# KiCad board cutiepie2040.kicad_pcb
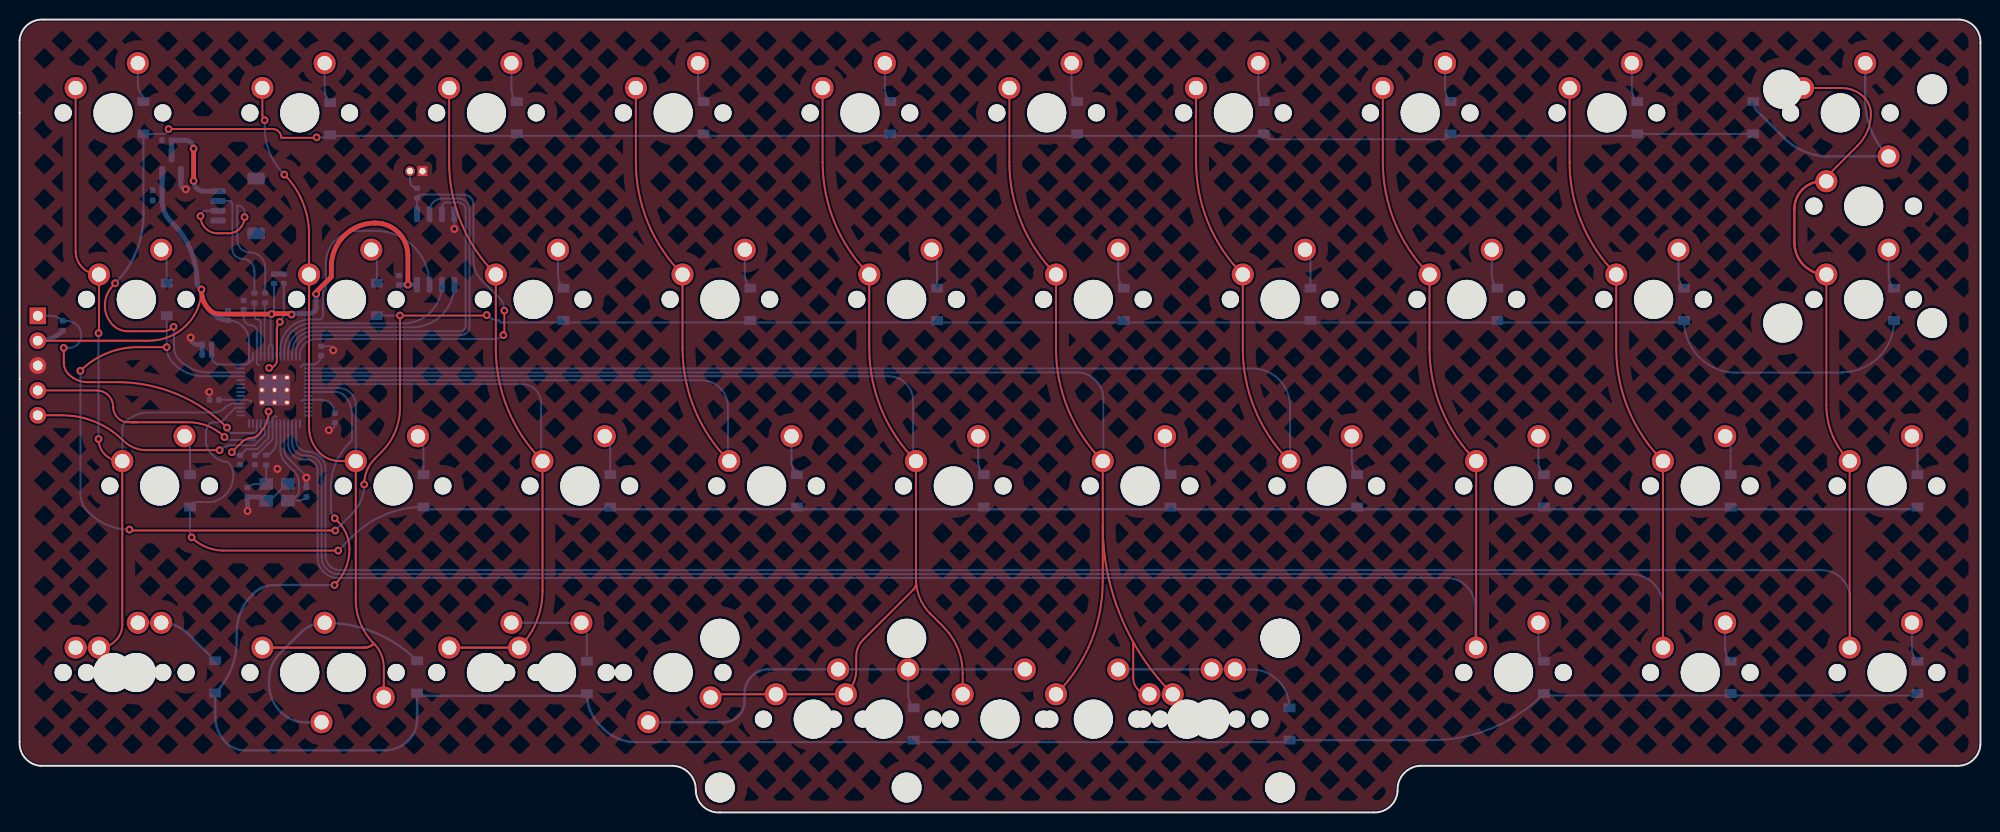
[diagram p0: board, top side]
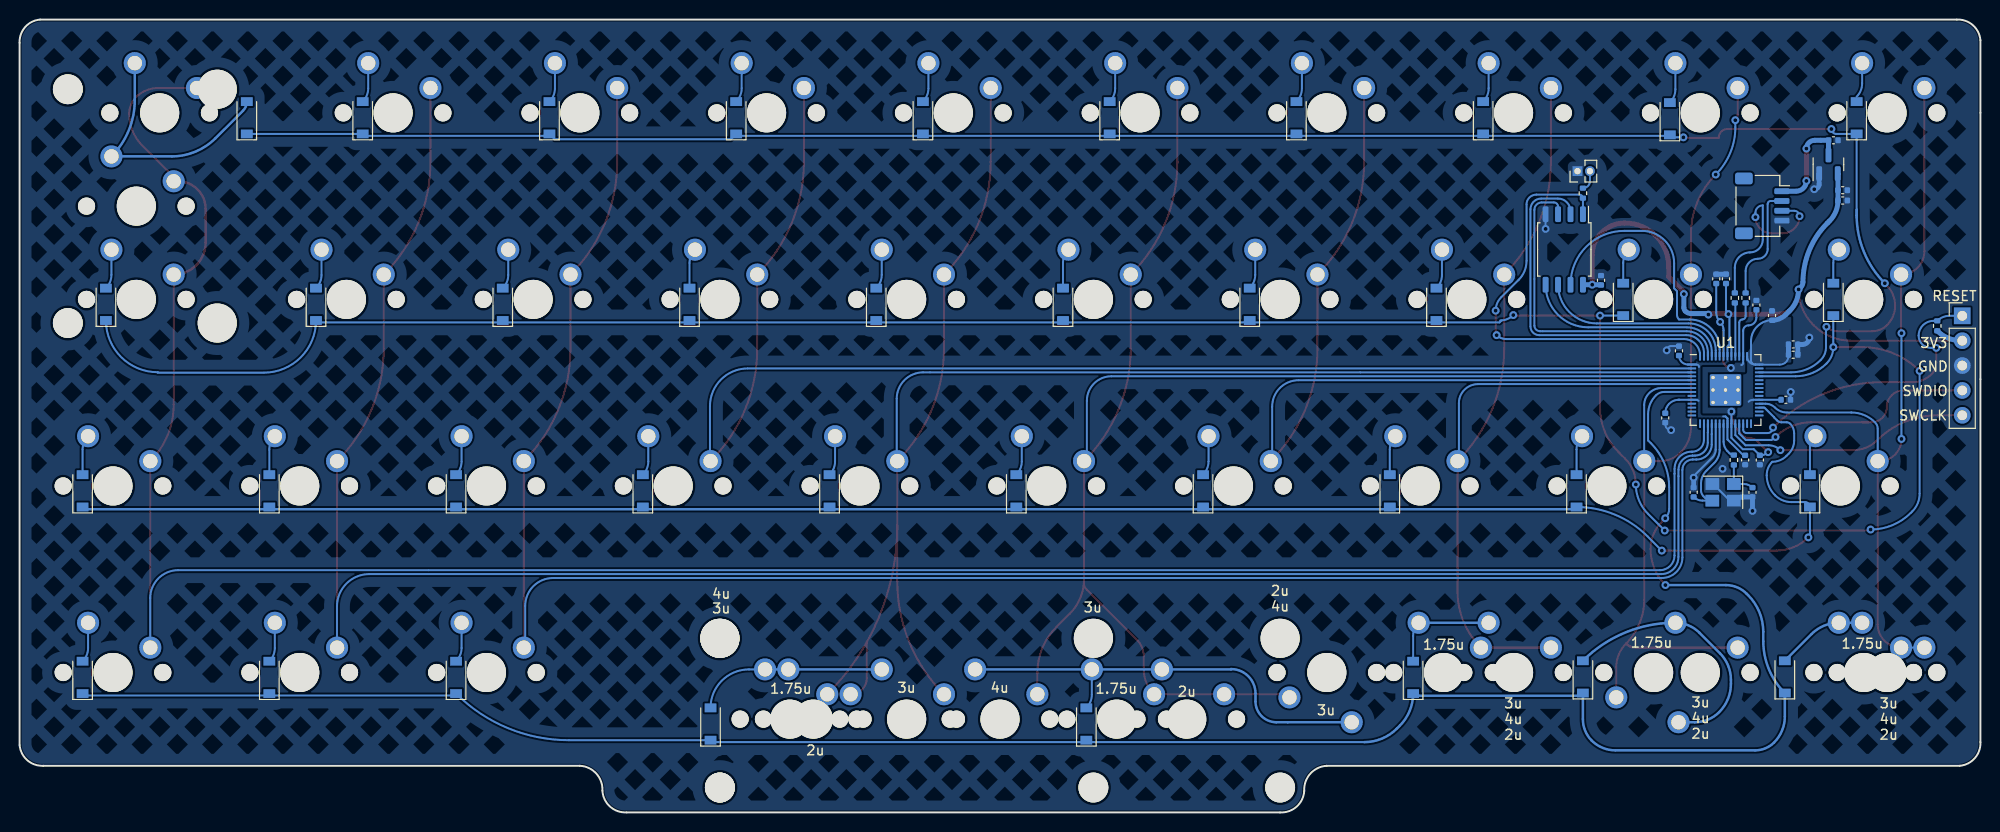
[diagram p1: board, bottom side, seen from below]

Outline 200.02 x 80.96 mm; copper layers: Top, Bottom. Coordinates in mm from the lower left corner of the outline.
Outline path: 0,78.86 arc(0.78,80.4) 2.4,80.96 197.95,80.96 arc(199.47,80.19) 200.02,78.58 200.02,6.88 arc(199.25,5.33) 197.61,4.76 142.88,4.76 arc(141.2,3.97) 140.57,2.22 arc(139.8,0.6) 138.1,0 71.45,0 arc(69.76,0.58) 68.98,2.19 arc(68.36,3.95) 66.67,4.76 2.1,4.76 arc(0.56,5.55) 0,7.19 0,78.86
Stack: Top 0.035mm / dielectric 1.51mm FR4 er 4.5 / Bottom 0.035mm

## Placement (name value [footprint] x y rotation side)
C_1V-Decoup1  1u  [C_0402_1005Metric]  22.85 51.81 90 bottom
C_1V-Decoup2  .1u  [C_0402_1005Metric]  26.95 54.49 90 bottom
C_1V-Decoup3  .1u  [C_0402_1005Metric]  22.5 35.99 270 bottom
C_3V-Decoup1  10u  [C_0402_1005Metric]  14.05 62.49 180 bottom
C_3V-Decoup2  1u  [C_0402_1005Metric]  21.25 50.74 90 bottom
C_3V-Decoup3  .1u  [C_0402_1005Metric]  25.95 54.49 90 bottom
C_3V-Decoup4  .1u  [C_0402_1005Metric]  19.85 42.14 180 bottom
C_3V-Decoup5  .1u  [C_0402_1005Metric]  19.1 46.74 180 bottom
C_3V-Decoup6  .1u  [C_0402_1005Metric]  32.15 40.29 270 bottom
C_3V-Decoup7  .1u  [C_0402_1005Metric]  19.1 47.79 180 bottom
C_3V-Decoup8  .1u  [C_0402_1005Metric]  24 35.99 270 bottom
C_3V-Decoup9  .1u  [C_0402_1005Metric]  30.75 47.14 90 bottom
C_Crystal1  22pF  [C_0402_1005Metric]  29.25 32.69 270 bottom
C_Crystal2  22pF  [C_0402_1005Metric]  23.25 32.69 90 bottom
C_Flash1  .1u  [C_0402_1005Metric]  38.7 54.34 90 bottom
C_LD1  1u  [C_0402_1005Metric]  15 68.64 180 bottom
C_LD2  1u  [C_0402_1005Metric]  14.05 63.54 180 bottom
D1  D_Small  [D_SOD-123]  12.62 70.94 90 bottom
D2  D_Small  [D_SOD-123]  15.01 52.39 90 bottom
D3  D_Small  [D_SOD-123]  17.39 32.84 90 bottom
D4  D_Small  [D_SOD-123]  19.95 13.84 90 bottom
D5  D_Small  [D_SOD-123]  31.67 70.84 90 bottom
D6  D_Small  [D_SOD-123]  36.44 52.39 90 bottom
D7  D_Small  [D_SOD-123]  41.2 32.84 90 bottom
D8  D_Small  [D_SOD-123]  40.55 13.84 90 bottom
D9  D_Small  [D_SOD-123]  50.72 70.94 90 bottom
D10  D_Small  [D_SOD-123]  55.49 51.89 90 bottom
D11  D_Small  [D_SOD-123]  60.25 32.84 90 bottom
D12  D_Small  [D_SOD-123]  57.87 13.79 90 bottom
D13  D_Small  [D_SOD-123]  69.77 70.94 90 bottom
D14  D_Small  [D_SOD-123]  74.54 51.89 90 bottom
D15  D_Small  [D_SOD-123]  79.3 32.84 90 bottom
D16  D_Small  [D_SOD-123]  88.83 70.94 90 bottom
D17  D_Small  [D_SOD-123]  93.59 51.89 90 bottom
D18  D_Small  [D_SOD-123]  98.35 32.84 90 bottom
D19  D_Small  [D_SOD-123]  91.21 9.02 90 bottom
D20  D_Small  [D_SOD-123]  107.87 70.94 90 bottom
D21  D_Small  [D_SOD-123]  112.64 51.89 90 bottom
D22  D_Small  [D_SOD-123]  117.4 32.84 90 bottom
D23  D_Small  [D_SOD-123]  129.54 9.02 90 bottom
D24  D_Small  [D_SOD-123]  126.92 70.94 90 bottom
D25  D_Small  [D_SOD-123]  131.69 51.89 90 bottom
D26  D_Small  [D_SOD-123]  136.45 32.84 90 bottom
D27  D_Small  [D_SOD-123]  145.98 70.94 90 bottom
D28  D_Small  [D_SOD-123]  150.74 51.89 90 bottom
D29  D_Small  [D_SOD-123]  155.5 32.84 90 bottom
D30  D_Small  [D_SOD-123]  155.5 13.79 90 bottom
D31  D_Small  [D_SOD-123]  165.02 70.94 90 bottom
D32  D_Small  [D_SOD-123]  169.79 51.89 90 bottom
D33  D_Small  [D_SOD-123]  174.55 32.84 90 bottom
D34  D_Small  [D_SOD-123]  174.55 13.79 90 bottom
D35  D_Small  [D_SOD-123]  176.85 70.94 90 bottom
D36  D_Small  [D_SOD-123]  191.22 51.89 90 bottom
D37  D_Small  [D_SOD-123]  193.6 32.84 90 bottom
D38  D_Small  [D_SOD-123]  193.6 13.79 90 bottom
J1  SM04B  [JST_SH_SM04B-SRSS-TB_1x04-1MP_P1.00mm_Horizontal]  22.25 61.94 270 bottom
J2  SWD  [PinHeader_1x05_P2.54mm_Vertical]  1.85 50.71 180 bottom
MX1  MX-NoLED  [MXOnly-1U-NoLED]  9.52 71.44 0 top
MX2  MX-NoLED  [MXOnly-1.25U-NoLED]  11.91 52.39 0 top
MX3  MX-NoLED  [MXOnly-1.5U-NoLED]  14.29 33.34 0 top
MX4  MX-NoLED  [MXOnly-1U-NoLED]  9.52 14.29 0 top
MX4#2  MX-NoLED  [MXOnly-1.25U-NoLED]  11.91 14.29 0 top
MX5  MX-NoLED  [MXOnly-1U-NoLED]  28.58 71.44 0 top
MX6  MX-NoLED  [MXOnly-1U-NoLED]  33.34 52.39 0 top
MX7  MX-NoLED  [MXOnly-1U-NoLED]  38.1 33.34 0 top
MX8  MX-NoLED  [MXOnly-1U-NoLED]  33.34 14.29 180 top
MX8#2  MX-NoLED  [MXOnly-1U-NoLED]  28.58 14.29 0 top
MX9  MX-NoLED  [MXOnly-1U-NoLED]  47.62 71.44 0 top
MX10  MX-NoLED  [MXOnly-1U-NoLED]  52.39 52.39 0 top
MX11  MX-NoLED  [MXOnly-1U-NoLED]  57.15 33.34 0 top
MX12  MX-NoLED  [MXOnly-1.25U-NoLED]  54.77 14.29 0 top
MX12#2  MX-NoLED  [MXOnly-1U-NoLED]  47.62 14.29 0 top
MX13  MX-NoLED  [MXOnly-1U-NoLED]  66.67 71.44 0 top
MX14  MX-NoLED  [MXOnly-1U-NoLED]  71.44 52.39 0 top
MX15  MX-NoLED  [MXOnly-1U-NoLED]  76.2 33.34 0 top
MX16  MX-NoLED  [MXOnly-1U-NoLED]  85.73 71.44 0 top
MX17  MX-NoLED  [MXOnly-1U-NoLED]  90.49 52.39 0 top
MX18  MX-NoLED  [MXOnly-1U-NoLED]  95.25 33.34 0 top
MX19  MX-NoLED  [MXOnly-1U-NoLED]  66.67 14.29 180 top
MX19#2  MX-NoLED  [MXOnly-4U-ReversedStabilizers-NoLED]  100.01 9.52 0 top
MX19#3  MX-NoLED  [MXOnly-1.75U-NoLED]  88.11 9.52 0 top
MX19#4  MX-NoLED  [MXOnly-2U-ReversedStabilizers-NoLED]  80.96 9.52 0 top
MX20  MX-NoLED  [MXOnly-1U-NoLED]  104.77 71.44 0 top
MX21  MX-NoLED  [MXOnly-1U-NoLED]  109.54 52.39 0 top
MX22  MX-NoLED  [MXOnly-1U-NoLED]  114.3 33.34 0 top
MX23  MX-NoLED  [MXOnly-3U-ReversedStabilizers-NoLED]  109.54 9.52 0 top
MX23#2  MX-NoLED  [MXOnly-2U-ReversedStabilizers-NoLED]  119.06 9.52 0 top
MX23#3  MX-NoLED  [MXOnly-1.75U-NoLED]  121.44 9.52 0 top
MX24  MX-NoLED  [MXOnly-1U-NoLED]  123.83 71.44 0 top
MX25  MX-NoLED  [MXOnly-1U-NoLED]  128.59 52.39 0 top
MX26  MX-NoLED  [MXOnly-1U-NoLED]  133.35 33.34 0 top
MX27  MX-NoLED  [MXOnly-1U-NoLED]  142.88 71.44 0 top
MX28  MX-NoLED  [MXOnly-1U-NoLED]  147.64 52.39 0 top
MX29  MX-NoLED  [MXOnly-1U-NoLED]  152.4 33.34 0 top
MX30  MX-NoLED  [MXOnly-1U-NoLED]  152.4 14.29 0 top
MX31  MX-NoLED  [MXOnly-1U-NoLED]  161.93 71.44 0 top
MX32  MX-NoLED  [MXOnly-1U-NoLED]  166.69 52.39 0 top
MX33  MX-NoLED  [MXOnly-1U-NoLED]  171.45 33.34 0 top
MX34  MX-NoLED  [MXOnly-1U-NoLED]  171.45 14.29 0 top
MX35  MX-NoLED  [MXOnly-1.5U-NoLED]  185.74 71.44 0 top
MX35#2  MX-NoLED  [MXOnly-ISO-ReversedStabilizers-NoLED]  188.12 61.91 0 top
MX36  MX-NoLED  [MXOnly-1.25U-NoLED]  188.12 52.39 0 top
MX37  MX-NoLED  [MXOnly-1U-NoLED]  190.5 33.34 0 top
MX38  MX-NoLED  [MXOnly-1U-NoLED]  190.5 14.29 0 top
R_Crystal1  1k  [R_0402_1005Metric]  25.15 35.99 90 bottom
R_DATA1  27  [R_0402_1005Metric]  25.05 52.54 270 bottom
R_DATA2  27  [R_0402_1005Metric]  23.95 52.54 270 bottom
R_Flash1  1k  [R_0402_1005Metric]  40.55 63.24 270 bottom
R_RST1  1k  [R_0402_1005Metric]  4.4 49.69 90 bottom
SW1  Reset  [PinHeader_1x02_P1.27mm_Vertical]  41.1 65.49 90 bottom
U1  RP2040  [RP2040-QFN-56]  26 43.14 180 bottom
U2  W25Q128JVS  [SOIC-8_5.23x5.23mm_P1.27mm]  42.45 57.49 270 bottom
U3  XC6206PxxxMR  [SOT-23]  15.5 66.19 90 bottom
Y1  12MHz  [Crystal_SMD_3225-4Pin_3.2x2.5mm]  26.25 32.69 0 bottom

## Footprints (pads in the part's own frame, mm; a bottom-side part is the same pattern mirrored in y, then rotated)
C_0402_1005Metric
  rrect 0.56x0.62 smd: 1(-0.48,0) 2(0.48,0)
Crystal_SMD_3225-4Pin_3.2x2.5mm
  rect 1.4x1.2 smd: 1(-1.1,-0.85) 2(1.1,-0.85) 3(1.1,0.85) 4(-1.1,0.85)
D_SOD-123
  rect 0.9x1.2 smd: 1(-1.65,0) 2(1.65,0)
JST_SH_SM04B-SRSS-TB_1x04-1MP_P1.00mm_Horizontal
  rrect 0.6x1.55 smd: 1(-1.5,2) 2(-0.5,2) 3(0.5,2) 4(1.5,2)
  rrect 1.2x1.8 smd: MP(-2.8,-1.875) MP(2.8,-1.875)
MXOnly-1.5U-NoLED
  round 1.75 hole 1.75 unplated: (-5.08,0) (5.08,0)
  round 3.988 hole 3.988 unplated: (0,0)
  round 2.25 hole 1.47: 1(-3.81,2.54) 2(2.54,5.08)
MXOnly-1.25U-NoLED
  round 1.75 hole 1.75 unplated: (-5.08,0) (5.08,0)
  round 3.988 hole 3.988 unplated: (0,0)
  round 2.25 hole 1.47: 1(-3.81,2.54) 2(2.54,5.08)
MXOnly-1.75U-NoLED
  round 1.75 hole 1.75 unplated: (-5.08,0) (5.08,0)
  round 3.988 hole 3.988 unplated: (0,0)
  round 2.25 hole 1.47: 1(-3.81,2.54) 2(2.54,5.08)
MXOnly-1U-NoLED
  round 1.75 hole 1.75 unplated: (-5.08,0) (5.08,0)
  round 3.988 hole 3.988 unplated: (0,0)
  round 2.25 hole 1.47: 1(-3.81,2.54) 2(2.54,5.08)
MXOnly-2U-ReversedStabilizers-NoLED
  round 1.75 hole 1.75 unplated: (-5.08,0) (5.08,0)
  round 3.988 hole 3.988 unplated: (0,0)
  round 2.25 hole 1.47: 1(-3.81,2.54) 2(2.54,5.08)
MXOnly-3U-ReversedStabilizers-NoLED
  round 3.988 hole 3.988 unplated: (-19.05,8.255) (0,0) (19.05,8.255)
  round 3.048 hole 3.048 unplated: (-19.05,-6.985) (19.05,-6.985)
  round 1.75 hole 1.75 unplated: (-5.08,0) (5.08,0)
  round 2.25 hole 1.47: 1(-3.81,2.54) 2(2.54,5.08)
MXOnly-4U-ReversedStabilizers-NoLED
  round 3.988 hole 3.988 unplated: (-28.575,8.255) (0,0) (28.575,8.255)
  round 3.048 hole 3.048 unplated: (-28.575,-6.985) (28.575,-6.985)
  round 1.75 hole 1.75 unplated: (-5.08,0) (5.08,0)
  round 2.25 hole 1.47: 1(-3.81,2.54) 2(2.54,5.08)
MXOnly-ISO-ReversedStabilizers-NoLED
  round 3.988 hole 3.988 unplated: (-8.255,11.938) (-8.255,-11.938) (0,0)
  round 1.75 hole 1.75 unplated: (-5.08,0) (5.08,0)
  round 3.048 hole 3.048 unplated: (6.985,11.938) (6.985,-11.938)
  round 2.25 hole 1.47: 1(-3.81,2.54) 2(2.54,5.08)
PinHeader_1x02_P1.27mm_Vertical
  rect 1x1 hole 0.65: 1(0,0)
  oval 1x1 hole 0.65: 2(0,-1.27)
PinHeader_1x05_P2.54mm_Vertical
  rect 1.7x1.7 hole 1: 1(0,0)
  oval 1.7x1.7 hole 1: 2(0,-2.54) 3(0,-5.08) 4(0,-7.62) 5(0,-10.16)
R_0402_1005Metric
  rrect 0.54x0.64 smd: 1(-0.51,0) 2(0.51,0)
RP2040-QFN-56
  rrect 1.084x1.084 smd: (-0.637,-0.637) (-0.637,0.637) (0.637,-0.637) (0.637,0.637)
  rrect 0.875x0.2 smd: 1(-3.438,2.6) 2(-3.438,2.2) 3(-3.438,1.8) 4(-3.438,1.4) 5(-3.438,1) 6(-3.438,0.6) 7(-3.438,0.2) 8(-3.438,-0.2) 9(-3.438,-0.6) 10(-3.438,-1) 11(-3.438,-1.4) 12(-3.438,-1.8) 13(-3.438,-2.2) 14(-3.438,-2.6) 29(3.438,-2.6) 30(3.438,-2.2) 31(3.438,-1.8) 32(3.438,-1.4) 33(3.438,-1) 34(3.438,-0.6) 35(3.438,-0.2) 36(3.438,0.2) 37(3.438,0.6) 38(3.438,1) 39(3.438,1.4) 40(3.438,1.8) 41(3.438,2.2) 42(3.438,2.6)
  rrect 0.2x0.875 smd: 15(-2.6,-3.438) 16(-2.2,-3.438) 17(-1.8,-3.438) 18(-1.4,-3.438) 19(-1,-3.438) 20(-0.6,-3.438) 21(-0.2,-3.438) 22(0.2,-3.438) 23(0.6,-3.438) 24(1,-3.438) 25(1.4,-3.438) 26(1.8,-3.438) 27(2.2,-3.438) 28(2.6,-3.438) 43(2.6,3.438) 44(2.2,3.438) 45(1.8,3.438) 46(1.4,3.438) 47(1,3.438) 48(0.6,3.438) 49(0.2,3.438) 50(-0.2,3.438) 51(-0.6,3.438) 52(-1,3.438) 53(-1.4,3.438) 54(-1.8,3.438) 55(-2.2,3.438) 56(-2.6,3.438)
  round 0.6 hole 0.35: 57(-1.275,-1.275) 57(-1.275,0) 57(-1.275,1.275) 57(0,-1.275) 57(0,0) 57(0,1.275) 57(1.275,-1.275) 57(1.275,0) 57(1.275,1.275)
  rrect 3.2x3.2 smd: 57(0,0)
SOIC-8_5.23x5.23mm_P1.27mm
  rrect 1.6x0.6 smd: 1(-3.6,1.905) 2(-3.6,0.635) 3(-3.6,-0.635) 4(-3.6,-1.905) 5(3.6,-1.905) 6(3.6,-0.635) 7(3.6,0.635) 8(3.6,1.905)
SOT-23
  rrect 1.475x0.6 smd: 1(-0.938,0.95) 2(-0.938,-0.95) 3(0.938,0)

## Nets
+1V1: C_1V-Decoup1.1 C_1V-Decoup2.1 C_1V-Decoup3.1 U1.23 U1.45 U1.50
+3V3: C_3V-Decoup1.1 C_3V-Decoup2.1 C_3V-Decoup3.1 C_3V-Decoup4.1 C_3V-Decoup5.1 C_3V-Decoup6.1 C_3V-Decoup7.1 C_3V-Decoup8.1 C_3V-Decoup9.1 C_Flash1.1 C_LD2.1 J2.2 R_RST1.1 U1.1 U1.10 U1.22 U1.33 U1.42 U1.43 U1.44 U1.48 U1.49 U2.8 U3.2
+5V: C_LD1.1 J1.1 U3.3
GND: C_1V-Decoup1.2 C_1V-Decoup2.2 C_1V-Decoup3.2 C_3V-Decoup1.2 C_3V-Decoup2.2 C_3V-Decoup3.2 C_3V-Decoup4.2 C_3V-Decoup5.2 C_3V-Decoup6.2 C_3V-Decoup7.2 C_3V-Decoup8.2 C_3V-Decoup9.2 C_Crystal1.1 C_Crystal2.1 C_Flash1.2 C_LD1.2 C_LD2.2 J1.4 J2.3 SW1.1 U1.19 U1.57 U2.4 U3.1 Y1.2 Y1.4
col0: MX1.1 MX2.1 MX3.1 MX4.1 MX4#2.1 U1.32
col1: MX5.1 MX6.1 MX7.1 MX8.1 MX8#2.1 U1.7
col2: MX9.1 MX10.1 MX11.1 MX12.1 MX12#2.1 U1.6
col3: MX13.1 MX14.1 MX15.1 U1.5
col4: MX16.1 MX17.1 MX18.1 MX19.1 MX19#2.1 MX19#3.1 MX19#4.1 U1.4
col5: MX20.1 MX21.1 MX22.1 MX23.1 MX23#2.1 MX23#3.1 U1.3
col6: MX24.1 MX25.1 MX26.1 U1.2
col7: MX27.1 MX28.1 MX29.1 MX30.1 U1.18
col8: MX31.1 MX32.1 MX33.1 MX34.1 U1.17
col9: MX35.1 MX35#2.1 MX36.1 MX37.1 MX38.1 U1.16
CS: R_Flash1.2 U1.56 U2.1
D+: J1.3 R_DATA1.1
D-: J1.2 R_DATA2.1
QSPI_CLK: U1.52 U2.6
RESET: J2.1 R_RST1.2 U1.26
row0: D1.1 D5.1 D9.1 D13.1 D16.1 D20.1 D24.1 D27.1 D31.1 D35.1 U1.40
row1: D2.1 D6.1 D10.1 D14.1 D17.1 D21.1 D25.1 D28.1 D32.1 D36.1 U1.39
row2: D3.1 D7.1 D11.1 D15.1 D18.1 D22.1 D26.1 D29.1 D33.1 D37.1 U1.31
row3: D4.1 D8.1 D12.1 D19.1 D23.1 D30.1 D34.1 D38.1 U1.8
SD0: U1.53 U2.5
SD1: U1.55 U2.2
SD2: U1.54 U2.3
SD3: U1.51 U2.7
SWCLK: J2.5 U1.24
SWDIO: J2.4 U1.25
XTAL_IN: C_Crystal1.2 U1.20 Y1.3
XTAL_OUT: R_Crystal1.2 U1.21
Net-(C_Crystal2-Pad2): C_Crystal2.2 R_Crystal1.1 Y1.1
Net-(D1-Pad2): D1.2 MX1.2
Net-(D2-Pad2): D2.2 MX2.2
Net-(D3-Pad2): D3.2 MX3.2
Net-(D4-Pad2): D4.2 MX4.2 MX4#2.2
Net-(D5-Pad2): D5.2 MX5.2
Net-(D6-Pad2): D6.2 MX6.2
Net-(D7-Pad2): D7.2 MX7.2
Net-(D8-Pad2): D8.2 MX8.2 MX8#2.2
Net-(D9-Pad2): D9.2 MX9.2
Net-(D10-Pad2): D10.2 MX10.2
Net-(D11-Pad2): D11.2 MX11.2
Net-(D12-Pad2): D12.2 MX12.2 MX12#2.2
Net-(D13-Pad2): D13.2 MX13.2
Net-(D14-Pad2): D14.2 MX14.2
Net-(D15-Pad2): D15.2 MX15.2
Net-(D16-Pad2): D16.2 MX16.2
Net-(D17-Pad2): D17.2 MX17.2
Net-(D18-Pad2): D18.2 MX18.2
Net-(D19-Pad2): D19.2 MX19.2 MX19#2.2 MX19#3.2 MX19#4.2
Net-(D20-Pad2): D20.2 MX20.2
Net-(D21-Pad2): D21.2 MX21.2
Net-(D22-Pad2): D22.2 MX22.2
Net-(D23-Pad2): D23.2 MX23.2 MX23#2.2 MX23#3.2
Net-(D24-Pad2): D24.2 MX24.2
Net-(D25-Pad2): D25.2 MX25.2
Net-(D26-Pad2): D26.2 MX26.2
Net-(D27-Pad2): D27.2 MX27.2
Net-(D28-Pad2): D28.2 MX28.2
Net-(D29-Pad2): D29.2 MX29.2
Net-(D30-Pad2): D30.2 MX30.2
Net-(D31-Pad2): D31.2 MX31.2
Net-(D32-Pad2): D32.2 MX32.2
Net-(D33-Pad2): D33.2 MX33.2
Net-(D34-Pad2): D34.2 MX34.2
Net-(D35-Pad2): D35.2 MX35.2 MX35#2.2
Net-(D36-Pad2): D36.2 MX36.2
Net-(D37-Pad2): D37.2 MX37.2
Net-(D38-Pad2): D38.2 MX38.2
Net-(R_DATA1-Pad2): R_DATA1.2 U1.47
Net-(R_DATA2-Pad2): R_DATA2.2 U1.46
Net-(R_Flash1-Pad1): R_Flash1.1 SW1.2

Pads without a net: J1 MP; U1 9 11 12 13 14 15 27 28 29 30 34 35 36 37 38 41

## Via types
v1: diameter 0.8, hole 0.4, Top to Bottom, 47 vias

## Routing (per net, layer and track width the routed paths; a pad name or vN(x,y) marks a point on that pad's centre or on a via; arc(x,y) is an arc through that point)
+1V1: length 32.7
  Top w0.2: v1(21.65,36.79) 22.71,37.85 arc(23.14,38.14) 23.65,38.24 arc(23.97,38.3) 24.25,38.48 24.48,38.72 arc(25.16,39.74) v1(25.4,40.94) ; v1(26.55,50.09) arc(26.33,49.76) 26.25,49.36 26.25,46.19 arc(26.02,45.62) v1(25.45,45.39)
  Bottom w0.2: C_1V-Decoup1.1 22.85,50.54 arc(23.08,49.97) 23.65,49.74 arc(24.04,49.58) 24.2,49.19 U1.45 24.2,45.89 arc(24.26,45.75) 24.4,45.69 ; v1(25.4,40.94) U1.23 25.4,38.25 24.23,37.09 23.12,37.09 C_1V-Decoup3.1 22.42,36.47 arc(22,36.55) v1(21.65,36.79) ; U1.50 26.2,49.24 arc(26.29,49.7) v1(26.55,50.09) arc(26.85,50.53) 26.95,51.05 C_1V-Decoup2.1
+3V3: length 112.9
  Top w0.2: 1.85,48.17 13.22,48.17 arc(15.27,48.58) 17,49.74 17.05,49.79 arc(18.16,51.45) v1(18.55,53.41)
  Top w0.5: v1(39.6,53.89) 39.6,56.89 arc(38.63,59.22) 36.3,60.19 36.25,60.19 arc(33.1,58.88) 31.8,55.74 31.8,54.69 30.39,53.28 arc(30.29,53.12) v1(30.25,52.94) ; v1(18.55,53.41) 18.55,53.27 arc(18.76,52.22) 19.35,51.34 arc(19.85,51) 20.44,50.89 v1(25.7,50.89) 25.75,50.94 27.51,50.94 arc(27.64,50.91) v1(27.75,50.84)
  Bottom w0.2: 1.97,48.17 1.85,48.17 ; 25.75,50.89 25.77,50.91 25.75,50.89 ; 25.75,50.89 25.88,51.02 ; 25.75,50.89 25.67,50.81 ; 30.7,42.14 U1.10 28.99,42.14 arc(28.86,42.11) 28.75,42.04 ; 30.7,42.14 30.78,42.14 arc(31.75,41.74) C_3V-Decoup6.1 ; 30.7,42.14 30.85,42.14 ; C_3V-Decoup3.1 25.95,51.34 arc(25.91,51.15) 25.81,51 v1(25.7,50.89) arc(25.63,50.78) 25.6,50.65 25.6,47.74 ; 26.25,40.44 26.01,40.44 25.8,40.23 U1.22 25.8,38.09 24.18,36.47 C_3V-Decoup8.1 ; U1.49 25.8,47.54 arc(25.74,47.68) 25.6,47.74 ; C_3V-Decoup5.1 19.58,46.61 arc(19.83,45.99) 20.45,45.74 U1.42 22.96,45.74 ; 22.96,45.74 arc(23.27,45.87) 23.4,46.17 U1.43 23.4,48.11 arc(22.77,49.63) C_3V-Decoup2.1 ; 22.96,45.74 arc(23.55,45.98) U1.44 ; C_3V-Decoup4.1 U1.33 23.17,42.14 arc(23.43,42.09) 23.65,41.94 ; 25.6,47.74 arc(25.46,47.68) 25.4,47.54 U1.48 ; 38.77,53.89 arc(38.73,53.88) C_Flash1.1 ; C_3V-Decoup9.1 arc(30.48,46.01) 29.83,45.74 U1.1 28.95,45.74 arc(28.77,45.66) 28.7,45.49
  Bottom w0.5: U2.8 v1(39.6,53.89) 38.77,53.89 ; C_3V-Decoup7.1 C_3V-Decoup5.1 ; v1(30.25,52.94) 30.25,51.55 arc(30.21,51.35) 30.1,51.19 arc(29.82,51) 29.5,50.94 27.99,50.94 arc(27.86,50.91) v1(27.75,50.84) ; R_RST1.1 arc(3.29,48.43) 1.97,48.17 ; C_3V-Decoup2.1 arc(20.49,50.41) 19.85,50.84 19.45,51.24 arc(18.78,52.23) v1(18.55,53.41) 18.31,53.65 arc(18.15,53.88) 18.1,54.15 arc(17.45,57.42) 15.6,60.19 15.4,60.39 arc(14.76,61.35) C_3V-Decoup1.1 C_LD2.1 14.53,65.23 arc(14.54,65.24) U3.2
+5V: length 10.6
  Top w0.5: v1(17.75,67.79) v1(17.75,64.49)
  Bottom w0.5: U3.3 15.5,68.62 ; C_LD1.1 16.9,68.64 arc(17.5,68.39) v1(17.75,67.79) ; J1.1 18.8,63.44 arc(18.06,63.75) v1(17.75,64.49)
GND: length 24.2
  Bottom w0.2: U2.4 44.36,59.59 arc(44.35,59.59) v1(44.35,59.59) ; C_3V-Decoup6.2 32.15,39.64 arc(31.97,39.21) v1(31.55,39.04) ; C_3V-Decoup9.2 31.57,47.62 arc(31.87,47.49) v1(32,47.19) ; Y1.4 25.55,31.84 27.25,33.54 Y1.2 ; U1.19 27,37.07 arc(27.09,36.62) 27.34,36.24 29.14,34.44 arc(29.22,34.33) v1(29.25,34.19) ; C_3V-Decoup4.2 19.37,42.89 arc(19.36,42.92) v1(19.35,42.94)
  Bottom w0.5: C_Crystal1.1 v1(29.25,34.19) ; C_3V-Decoup5.2 C_3V-Decoup7.2 18.15,47.79 arc(17.66,47.99) v1(17.45,48.49) ; v1(23.25,30.79) C_Crystal2.1 24.26,32.21 arc(24.74,32.11) Y1.4 ; C_3V-Decoup3.2 C_1V-Decoup2.2 ; U3.1 16.45,64.14 arc(16.6,63.78) v1(16.95,63.64)
  vias: v1(26.3,35.09)
col0: length 80.1
  Top w0.2: MX1.1 5.71,57.31 arc(6.41,55.62) MX2.1 8.1,48.98 arc(8.08,48.95) v1(8.05,48.94) ; v1(8.05,38.14) arc(8.71,36.54) 10.31,35.88 MX3.1 10.48,19.21 arc(9.78,17.52) MX4#2.1
  Bottom w0.2: v1(8.05,48.94) v1(8.05,38.14) ; U1.32 21.92,41.74 arc(21.39,41.63) 20.95,41.34 arc(20.4,40.97) 19.74,40.84 13.16,40.84 arc(11.86,40.58) 10.75,39.84 arc(10.55,39.54) 10.48,39.18 MX3.1 ; MX4#2.1 MX4.1
col1: length 90.7
  Top w0.2: MX8.1 37.15,14.83 arc(36.89,16.13) 36.15,17.24 arc(34.77,19.3) 34.29,21.73 MX7.1 32.68,35.88 arc(31.55,36.1) 30.6,36.74 arc(29.81,37.93) 29.53,39.33 MX6.1 29.53,59.04 arc(28.87,62.34) v1(27,65.14) ; MX5.1 24.77,71.25 arc(24.83,70.95) v1(25,70.69)
  Top w0.25: MX8#2.1 35.16,16.83 arc(35.7,16.93) 36.15,17.24
  Bottom w0.2: U1.7 32.54,43.34 arc(33.78,42.82) 34.3,41.58 34.3,35.89 arc(34.3,35.88) MX7.1 ; v1(25,70.69) 25,69.97 arc(25.52,67.35) v1(27,65.14)
col2: length 98.3
  Top w0.2: MX9.1 43.81,66.43 arc(45.05,60.2) MX10.1 48.58,47.38 arc(49.82,41.15) MX11.1 53.34,22.58 arc(52.72,19.47) MX12.1
  Top w0.25: MX12#2.1 MX12.1
  Bottom w0.2: U1.6 51.25,43.74 arc(52.63,43.17) 53.2,41.79 53.2,36.02 arc(53.24,35.92) MX11.1
col3: length 90.6
  Top w0.2: MX13.1 62.86,66.43 arc(64.1,60.2) MX14.1 67.63,47.38 arc(68.87,41.15) MX15.1
  Bottom w0.2: U1.5 69.55,44.14 arc(71.46,43.35) 72.25,41.44 72.25,36.02 arc(72.29,35.92) MX15.1
col4: length 163.3
  Top w0.2: 81.91,73.98 81.91,66.43 arc(83.15,60.2) MX17.1 86.68,47.38 arc(87.92,41.15) MX18.1 91.44,23.83 arc(91.82,21.91) 92.91,20.28 94.25,18.94 arc(95.7,16.77) 96.2,14.22 MX19#2.1 ; 91.46,23.44 arc(91.38,23.07) 91.18,22.76 86.06,17.64 arc(85.53,16.86) 85.35,15.94 85.35,14.61 arc(85.08,13.23) MX19#3.1 MX19#4.1 71.25,12.06 arc(70.84,11.98) MX19.1
  Bottom w0.2: U1.4 88.65,44.54 arc(90.42,43.81) 91.15,42.04 91.15,36.17 arc(91.23,35.96) MX18.1
col5: length 180.2
  Top w0.2: MX20.1 100.96,66.43 arc(102.2,60.2) MX21.1 105.73,47.38 arc(106.97,41.15) MX22.1 110.49,29.31 ; 110.49,29.31 110.49,23.56 arc(109.25,17.34) MX23.1 ; 110.49,29.31 arc(112.35,19.98) MX23#3.1 ; 113.6,17.39 113.6,13.72 arc(114.09,12.55) MX23#2.1
  Bottom w0.2: U1.3 107.85,44.94 arc(109.76,44.15) 110.55,42.24 110.55,35.94 arc(110.53,35.9) MX22.1
col6: length 148.7
  Top w0.2: MX24.1 120.02,66.43 arc(121.25,60.2) MX25.1 124.78,47.38 arc(126.02,41.15) MX26.1
  Bottom w0.2: U1.2 125.75,45.34 arc(128.47,44.21) 129.6,41.49 129.6,35.94 arc(129.58,35.9) MX26.1
col7: length 200.4
  Top w0.2: MX30.1 MX29.1 arc(145.07,41.15) 143.83,47.38 MX28.1 arc(140.3,60.2) 139.06,66.43 MX27.1
  Bottom w0.2: U1.18 27.4,38.64 27.41,38.63 27.41,37.59 arc(27.86,36.49) 28.96,36.04 29.35,36.04 arc(30.09,35.73) 30.4,34.99 30.4,26.04 arc(31.02,24.55) 32.5,23.94 145.6,23.94 arc(147.62,23.1) 148.45,21.09 148.45,16.97 arc(148.49,16.87) MX30.1
col8: length 219.1
  Top w0.2: MX31.1 158.12,66.43 arc(159.35,60.2) MX32.1 162.88,47.38 arc(164.12,41.15) MX33.1 MX34.1
  Bottom w0.2: U1.17 27.8,38.81 27.81,38.8 27.81,37.75 arc(28.19,36.82) 29.12,36.44 29.36,36.44 arc(30.38,36.02) 30.8,35 30.8,34.34 30.81,34.33 30.81,26.09 arc(31.32,24.85) 32.56,24.34 164.35,24.34 arc(166.68,23.37) 167.65,21.04 167.65,16.84 arc(167.65,16.83) MX34.1
col9: length 247.3
  Top w0.2: 181.96,73.98 185.88,73.98 arc(187.11,73.73) 188.15,73.04 arc(188.67,72.26) 188.85,71.35 188.85,71.34 arc(188.5,69.58) 187.51,68.09 184.31,64.9 184.31,64.45 ; MX36.1 184.31,41.63 arc(184.93,38.52) MX37.1 MX38.1
  Top w0.25: 184.31,64.45 183.88,64.45 arc(181.88,63.62) 181.05,61.62 181.05,58.19 arc(182,55.88) MX36.1
  Bottom w0.2: U1.16 28.2,38.97 28.21,38.96 28.21,38.03 arc(28.56,37.19) 29.4,36.84 29.46,36.84 arc(30.69,36.33) 31.2,35.09 31.2,34.59 31.21,34.58 31.21,26.23 arc(31.64,25.17) 32.69,24.74 183.85,24.74 arc(185.87,23.9) 186.7,21.89 186.7,16.84 arc(186.7,16.83) MX38.1
CS: length 44.6
  Top w0.2: v1(49.45,51.24) 49.45,48.98 arc(49.42,48.85) v1(49.35,48.74)
  Bottom w0.2: U2.1 40.55,62.72 arc(40.55,62.73) R_Flash1.2 arc(40.66,62.98) 40.91,63.09 45.3,63.09 arc(46.01,62.79) 46.3,62.09 46.3,56.32 arc(46.51,55.28) 47.1,54.39 48.88,52.61 arc(49.3,51.98) v1(49.45,51.24) ; U1.56 28.6,46.68 arc(29.09,47.85) 30.26,48.34 48.38,48.34 arc(48.91,48.44) v1(49.35,48.74)
D+: length 20.7
  Top w0.2: v1(22.95,60.79) arc(22.47,59.62) 21.3,59.14 20.2,59.14 arc(18.96,59.65) v1(18.45,60.89)
  Bottom w0.2: R_DATA1.1 25.05,55.64 arc(24.6,56.73) 23.5,57.19 arc(22.58,57.57) 22.2,58.49 22.2,61.99 arc(22.73,61.77) 22.95,61.24 v1(22.95,60.79) ; J1.3 19,61.44 arc(18.61,61.28) v1(18.45,60.89)
D-: length 12
  Bottom w0.2: R_DATA2.1 23.95,55.29 arc(23.58,56.17) 22.7,56.54 arc(21.99,56.83) 21.7,57.54 21.7,62.14 arc(21.61,62.35) 21.4,62.44 J1.2
QSPI_CLK: length 20.5
  Bottom w0.2: U1.52 27,47.17 arc(27.81,49.13) 29.77,49.94 39.13,49.94 arc(41.93,51.09) U2.6
RESET: length 32.6
  Top w0.2: v1(4.5,47.44) 4.5,45.94 arc(4.63,45.29) 5,44.74 arc(5.89,44.15) 6.93,43.94 9.96,43.94 arc(16.02,42.73) v1(21.15,39.3)
  Bottom w0.2: v1(4.5,47.44) 5.05,47.44 arc(5.93,47.8) 6.3,48.69 arc(5.86,49.76) 4.79,50.2 R_RST1.2 arc(3.83,50.58) 3.16,50.71 J2.1 ; U1.26 24.2,39.09 arc(24.1,38.84) 23.85,38.74 21.72,38.74 arc(21.32,38.9) v1(21.15,39.3)
row0: length 204.8
  Top w0.2: v1(15.2,69.79) 25.8,69.79 arc(26.44,69.52) 26.7,68.89 30.25,68.89 arc(30.29,68.9) v1(30.3,68.94) ; v1(9.75,54.04) 9.58,53.87 arc(8.93,52.89) 8.7,51.74 arc(8.91,50.68) 9.51,49.77 arc(10.22,49.3) 11.05,49.14 14.61,49.14 arc(15.2,49.26) v1(15.71,49.59)
  Bottom w0.2: 12.62,60.76 D1.1 14.7,69.29 arc(15.05,69.43) v1(15.2,69.79) ; D35.1 D31.1 164.83,69.09 146.17,69.09 D27.1 145.43,68.74 127.48,68.74 D24.1 126.73,69.09 108.07,69.09 D20.1 107.68,69.09 89.02,69.09 D16.1 88.63,69.09 69.97,69.09 D13.1 69.58,69.09 50.92,69.09 D9.1 50.53,69.09 31.77,69.09 D5.1 arc(31.6,69.01) 31.42,68.94 v1(30.3,68.94) ; U1.40 19.32,44.94 arc(17.68,45.26) 16.3,46.19 arc(15.89,46.8) 15.75,47.52 15.75,49.48 arc(15.74,49.54) v1(15.71,49.59)
  Bottom w0.25: 12.62,61.54 12.62,60.98 arc(11.88,57.22) v1(9.75,54.04)
row1: length 248.4
  Top w0.2: v1(15.01,47.51) 12.05,47.51 arc(8.89,46.88) v1(6.2,45.09) ; v1(32.2,28.79) 11.44,28.79 arc(11.31,28.81) v1(11.2,28.89) ; v1(47.65,50.79) arc(47.59,50.75) 47.53,50.74 v1(38.8,50.74) 38.8,41.3 arc(38.32,38.89) 36.95,36.84 36.25,36.13 arc(35.43,34.92) v1(35.15,33.49)
  Bottom w0.2: v1(6.2,45.09) 6.2,32.55 arc(6.39,31.57) 6.95,30.74 7.1,30.58 arc(8.98,29.33) v1(11.2,28.89) ; D6.1 v1(38.8,50.74) ; v1(32.2,28.79) 33.91,30.5 arc(34.83,31.87) v1(35.15,33.49) ; U1.39 18.84,44.54 arc(17.14,44.88) 15.7,45.84 arc(15.19,46.61) v1(15.01,47.51) D2.1 ; 48.85,50.24 49.05,50.04 55.01,50.04 arc(55.27,50.09) D10.1 55.69,50.04 74.06,50.04 arc(74.32,50.09) D14.1 74.74,50.04 93.39,50.04 D17.1 93.79,50.04 112.16,50.04 arc(112.42,50.09) D21.1 112.84,50.04 131.21,50.04 arc(131.47,50.09) D25.1 131.89,50.04 150.54,50.04 D28.1 150.94,50.04 169.59,50.04 D32.1 arc(171.35,46.47) 175.12,44.91 185.93,44.91 185.93,44.95 arc(189.67,46.5) D36.1 ; v1(47.65,50.79) arc(48.26,50.38) 48.98,50.24
row2: length 199.1
  Top w0.2: v1(32.5,26.74) 20.81,26.74 arc(19.05,27.09) v1(17.55,28.09)
  Bottom w0.2: U1.31 22.07,41.34 arc(22.03,41.33) 22,41.31 21.05,40.36 21.05,40.34 20.73,40.01 arc(20.53,39.88) 20.3,39.84 19.76,39.84 arc(19.57,39.8) 19.4,39.69 arc(19.1,39.24) 19,38.72 19,37.97 arc(19.14,37.25) 19.55,36.64 19.78,36.4 arc(20.45,35.96) 21.23,35.8 arc(21.65,35.18) 21.8,34.44 arc(21.58,33.33) 20.95,32.39 20.95,32.39 arc(20.17,31.87) 19.26,31.69 17.89,31.69 arc(17.53,31.54) D3.1 17.39,28.48 arc(17.43,28.27) v1(17.55,28.09) ; v1(32.5,26.74) 33.94,28.18 arc(37.27,30.41) D7.1
  Bottom w0.25: D37.1 193.38,30.96 175.09,30.96 arc(174.8,31.02) D33.1 174.33,30.96 156.04,30.96 arc(155.75,31.02) D29.1 155.28,30.96 136.99,30.96 arc(136.7,31.02) D26.1 136.23,30.96 117.94,30.96 arc(117.65,31.02) D22.1 117.18,30.96 98.89,30.96 arc(98.6,31.02) D18.1 98.13,30.96 79.84,30.96 arc(79.55,31.02) D15.1 79.08,30.96 60.47,30.96 D11.1 60.03,30.96 41.42,30.96 D7.1
row3: length 232
  Top w0.2: v1(32.15,30.04) 32.48,29.7 arc(33.35,28.41) 33.65,26.89 arc(33.25,24.9) v1(32.13,23.22)
  Bottom w0.2: 62.85,7.18 90.73,7.18 arc(90.99,7.23) D19.1 91.4,7.18 129.35,7.18 D23.1 144,7.38 arc(150.22,8.61) D30.1 155.7,11.94 174.35,11.94 D34.1 174.75,11.94 193.12,11.94 arc(193.38,11.99) D38.1 ; U1.8 32.26,42.94 arc(32.71,42.85) 33.1,42.59 arc(33.69,41.7) 33.9,40.66 33.9,37.99 33.62,37.71 arc(32.24,35.64) 31.75,33.19 31.75,31 arc(31.85,30.48) v1(32.15,30.04)
  Bottom w0.25: v1(32.13,23.22) 25.97,23.22 arc(24.82,22.99) 23.85,22.34 23.71,22.19 arc(22.55,20.47) 22.15,18.44 22.15,17.5 arc(21.58,14.62) D4.1 19.95,9.79 arc(20.24,8.36) 21.05,7.14 arc(21.94,6.55) 22.98,6.34 37.24,6.34 arc(38.54,6.6) 39.65,7.34 arc(40.32,8.33) 40.55,9.51 D8.1 40.82,11.91 57.33,11.91 arc(57.62,11.97) D12.1 arc(58.22,10.36) 59.23,8.86 59.54,8.55 arc(61.06,7.53) 62.85,7.18
SD0: length 21.3
  Bottom w0.2: U1.53 27.4,47 arc(28.14,48.79) 29.94,49.54 40,49.54 arc(43.08,50.81) U2.5
SD1: length 37.3
  Bottom w0.2: U2.2 41.81,61.4 arc(42.19,62.31) 43.1,62.69 44.8,62.69 arc(45.58,62.37) 45.9,61.59 45.9,49.63 arc(45.64,49) 45.01,48.74 30.01,48.74 arc(28.73,48.21) 28.2,46.93 U1.55
SD2: length 35.3
  Bottom w0.2: U2.3 43.08,61.87 arc(43.21,62.17) 43.5,62.29 44.75,62.29 arc(45.28,62.07) 45.5,61.54 45.5,49.73 arc(45.33,49.31) 44.91,49.14 29.97,49.14 arc(28.44,48.5) 27.8,46.97 U1.54
SD3: length 28.1
  Bottom w0.2: U1.51 26.6,47.28 arc(27.5,49.44) 29.66,50.34 30.75,50.34 arc(30.9,50.56) 30.95,50.82 30.95,53.23 31.24,53.52 31.24,56.08 arc(32.21,58.42) 34.55,59.39 36.31,59.39 arc(40.2,57.78) U2.7
SWCLK: length 25.8
  Top w0.2: v1(20.41,36.99) 12.95,36.99 arc(11.65,37.25) 10.55,37.99 arc(7.71,39.89) 4.36,40.55 J2.5
  Bottom w0.2: U1.24 25,38.54 23.95,37.49 21.6,37.49 arc(20.95,37.36) v1(20.41,36.99)
SWDIO: length 27.3
  Top w0.2: 11.84,39.84 12.05,39.84 11.09,39.84 arc(10,40.3) 9.55,41.39 arc(9.05,42.59) 7.84,43.09 1.85,43.09 ; 11.84,39.84 11.4,39.84 arc(11.4,39.84) 11.4,39.84 ; 11.84,39.84 17.26,39.84 arc(19.23,39.45) v1(20.9,38.34)
  Bottom w0.2: U1.25 24.6,38.7 23.93,38.04 21.3,38.04 21.07,38.26 arc(20.99,38.32) v1(20.9,38.34)
XTAL_IN: length 11.1
  Bottom w0.2: U1.20 26.6,37.04 arc(26.75,36.3) 27.17,35.67 27.97,34.87 arc(28.36,34.28) 28.5,33.59 28.5,32.89 arc(28.44,32.56) 28.25,32.29 28.12,32.16 arc(27.77,31.92) Y1.3 28.36,31.84 arc(28.84,31.93) C_Crystal1.2
XTAL_OUT: length 3.7
  Bottom w0.2: U1.21 26.2,37.85 arc(26.1,37.33) 25.8,36.89 25.59,36.68 arc(25.39,36.55) R_Crystal1.2
Net-(C_Crystal2-Pad2): length 3.9
  Bottom w0.2: R_Crystal1.1 Y1.1 24.14,33.54 arc(23.66,33.44) C_Crystal2.2
Net-(D1-Pad2): length 3.6
  Bottom w0.2: MX1.2 12.06,74.44 arc(12.21,73.71) 12.62,73.09
Net-(D2-Pad2): length 3.6
  Bottom w0.2: D2.2 15.01,56.12 arc(14.86,56.85) MX2.2
Net-(D3-Pad2): length 4.2
  Bottom w0.2: D3.2 17.39,37.86 arc(17.22,38.25) MX3.2
Net-(D4-Pad2): length 9.3
  Bottom w0.25: D4.2 17.22,18.22 arc(15.95,19.07) MX4#2.2 MX4.2
Net-(D5-Pad2): length 4.2
  Bottom w0.2: 31.11,76.52 31.11,73.84 arc(31.26,73.11) D5.2
Net-(D6-Pad2): length 3.6
  Bottom w0.2: D6.2 36.44,56.12 arc(36.29,56.85) MX6.2
Net-(D7-Pad2): length 4.1
  Bottom w0.2: D7.2 41.2,37.07 arc(41.05,37.8) MX7.2
Net-(D8-Pad2): length 27.2
  Bottom w0.25: MX8.2 29.14,9.21 arc(27.79,9.48) 26.65,10.24 arc(25.76,11.57) 25.45,13.13 25.45,13.54 arc(25.74,15.02) 26.58,16.27 28.67,18.35 arc(29.79,19.1) 31.11,19.37 31.18,19.37 arc(36.25,18.36) D8.2
Net-(D9-Pad2): length 4.1
  Bottom w0.2: MX9.2 50.16,73.94 arc(50.31,73.21) D9.2
Net-(D10-Pad2): length 4.1
  Bottom w0.2: MX10.2 54.93,54.89 arc(55.07,54.16) D10.2
Net-(D11-Pad2): length 4.1
  Bottom w0.2: D11.2 60.25,37.07 arc(60.1,37.8) MX11.2
Net-(D12-Pad2): length 11.2
  Bottom w0.2: D12.2 57.87,18.02 arc(57.72,18.75) MX12.2
  Bottom w0.25: MX12#2.2 MX12.2
Net-(D13-Pad2): length 4.1
  Bottom w0.2: MX13.2 69.22,73.94 arc(69.36,73.21) D13.2
Net-(D14-Pad2): length 4.1
  Bottom w0.2: MX14.2 73.98,54.89 arc(74.12,54.16) D14.2
Net-(D15-Pad2): length 4.1
  Bottom w0.2: MX15.2 78.74,35.84 arc(78.89,35.11) D15.2
Net-(D16-Pad2): length 4.1
  Bottom w0.2: MX16.2 88.27,73.94 arc(88.41,73.21) D16.2
Net-(D17-Pad2): length 4.1
  Bottom w0.2: D17.2 93.59,56.12 arc(93.44,56.85) MX17.2
Net-(D18-Pad2): length 4.1
  Bottom w0.2: MX18.2 97.79,35.84 arc(97.94,35.11) D18.2
Net-(D19-Pad2): length 46
  Bottom w0.2: MX19#3.2 90.65,12.03 arc(90.79,11.3) D19.2
  Bottom w0.25: MX19#2.2 MX19#3.2 MX19#4.2 76.45,14.61 76.45,14.64 arc(74.68,13.91) 73.95,12.14 73.95,11.34 arc(73.33,9.83) 71.82,9.21 MX19.2
Net-(D20-Pad2): length 4.1
  Bottom w0.2: MX20.2 107.31,73.94 arc(107.46,73.21) D20.2
Net-(D21-Pad2): length 4.1
  Bottom w0.2: MX21.2 112.08,54.89 arc(112.22,54.16) D21.2
Net-(D22-Pad2): length 4.1
  Bottom w0.2: MX22.2 116.84,35.84 arc(116.99,35.11) D22.2
Net-(D23-Pad2): length 19.7
  Bottom w0.2: MX23#3.2 125.61,14.61 arc(128.39,13.45) D23.2
  Bottom w0.25: MX23#3.2 MX23#2.2 MX23.2
Net-(D24-Pad2): length 4.1
  Bottom w0.2: MX24.2 126.36,73.94 arc(126.51,73.21) D24.2
Net-(D25-Pad2): length 4.1
  Bottom w0.2: D25.2 131.69,56.12 arc(131.54,56.85) MX25.2
Net-(D26-Pad2): length 4.1
  Bottom w0.2: MX26.2 135.89,35.84 arc(136.04,35.11) D26.2
Net-(D27-Pad2): length 4.1
  Bottom w0.2: MX27.2 145.42,73.94 arc(145.56,73.21) D27.2
Net-(D28-Pad2): length 4.1
  Bottom w0.2: MX28.2 150.18,54.89 arc(150.32,54.16) D28.2
Net-(D29-Pad2): length 4.1
  Bottom w0.2: MX29.2 154.94,35.84 arc(155.09,35.11) D29.2
Net-(D30-Pad2): length 4.1
  Bottom w0.2: MX30.2 154.94,16.79 arc(155.09,16.06) D30.2
Net-(D31-Pad2): length 4.1
  Bottom w0.2: MX31.2 164.46,73.94 arc(164.61,73.21) D31.2
Net-(D32-Pad2): length 4.1
  Bottom w0.2: MX32.2 169.23,54.89 arc(169.37,54.16) D32.2
Net-(D33-Pad2): length 4.1
  Bottom w0.2: D33.2 174.55,37.07 arc(174.4,37.8) MX33.2
Net-(D34-Pad2): length 4.1
  Bottom w0.2: MX34.2 173.99,16.79 arc(174.14,16.06) D34.2
Net-(D35-Pad2): length 26.3
  Bottom w0.25: MX35.2 188.28,72.74 arc(188.9,69.63) 190.66,66.99 184.5,66.99 arc(182.09,67.47) 180.05,68.84 177.24,71.65 arc(176.95,72.08) D35.2
Net-(D36-Pad2): length 4.1
  Bottom w0.2: MX36.2 190.66,54.89 arc(190.8,54.16) D36.2
Net-(D37-Pad2): length 4.1
  Bottom w0.2: D37.2 193.6,37.07 arc(193.45,37.8) MX37.2
Net-(D38-Pad2): length 4.1
  Bottom w0.2: MX38.2 193.04,16.79 arc(193.19,16.06) D38.2
Net-(R_DATA1-Pad2): length 5.5
  Bottom w0.2: U1.47 25,51.98 arc(25.01,52.01) R_DATA1.2
Net-(R_DATA2-Pad2): length 5.8
  Bottom w0.2: U1.46 24.6,50.04 arc(24.51,50.25) 24.3,50.34 arc(24.05,50.44) 23.95,50.69 R_DATA2.2
Net-(R_Flash1-Pad1): length 2.2
  Bottom w0.2: SW1.2 39.83,64.47 arc(40.04,63.96) R_Flash1.1

## Copper pours and planes (outline as drawn; the poured copper is in the pictures)
+1V1 on Bottom: 25.05,45.79 25.7,45.79 25.9,45.49 28.35,45.49 28.35,40.74 25.8,40.74 25.8,40.54 25,40.54 25,41.34 27.8,41.34 27.8,44.94 24.85,44.99 24,44.94 24,45.94 25.05,45.94
+3V3 on Bottom: 21.75,50.49 23.9,46.69 24.7,46.14 29,46.14 29,40.14 23,40.14 23,45.84 19.3,45.94 19.3,50.59
GND on Top, Bottom: 208.95,-1.56 -2.55,-1.01 -2.55,82.64 207.05,82.94

## Text on the board
B.Silkscreen: RESET | 3V3 | GND | SWDIO | SWCLK | 3u / 4u | 2u | 1.75u | 3u | 4u
